# KiCad board RADAR_Main_Boardq.kicad_pcb (continued)
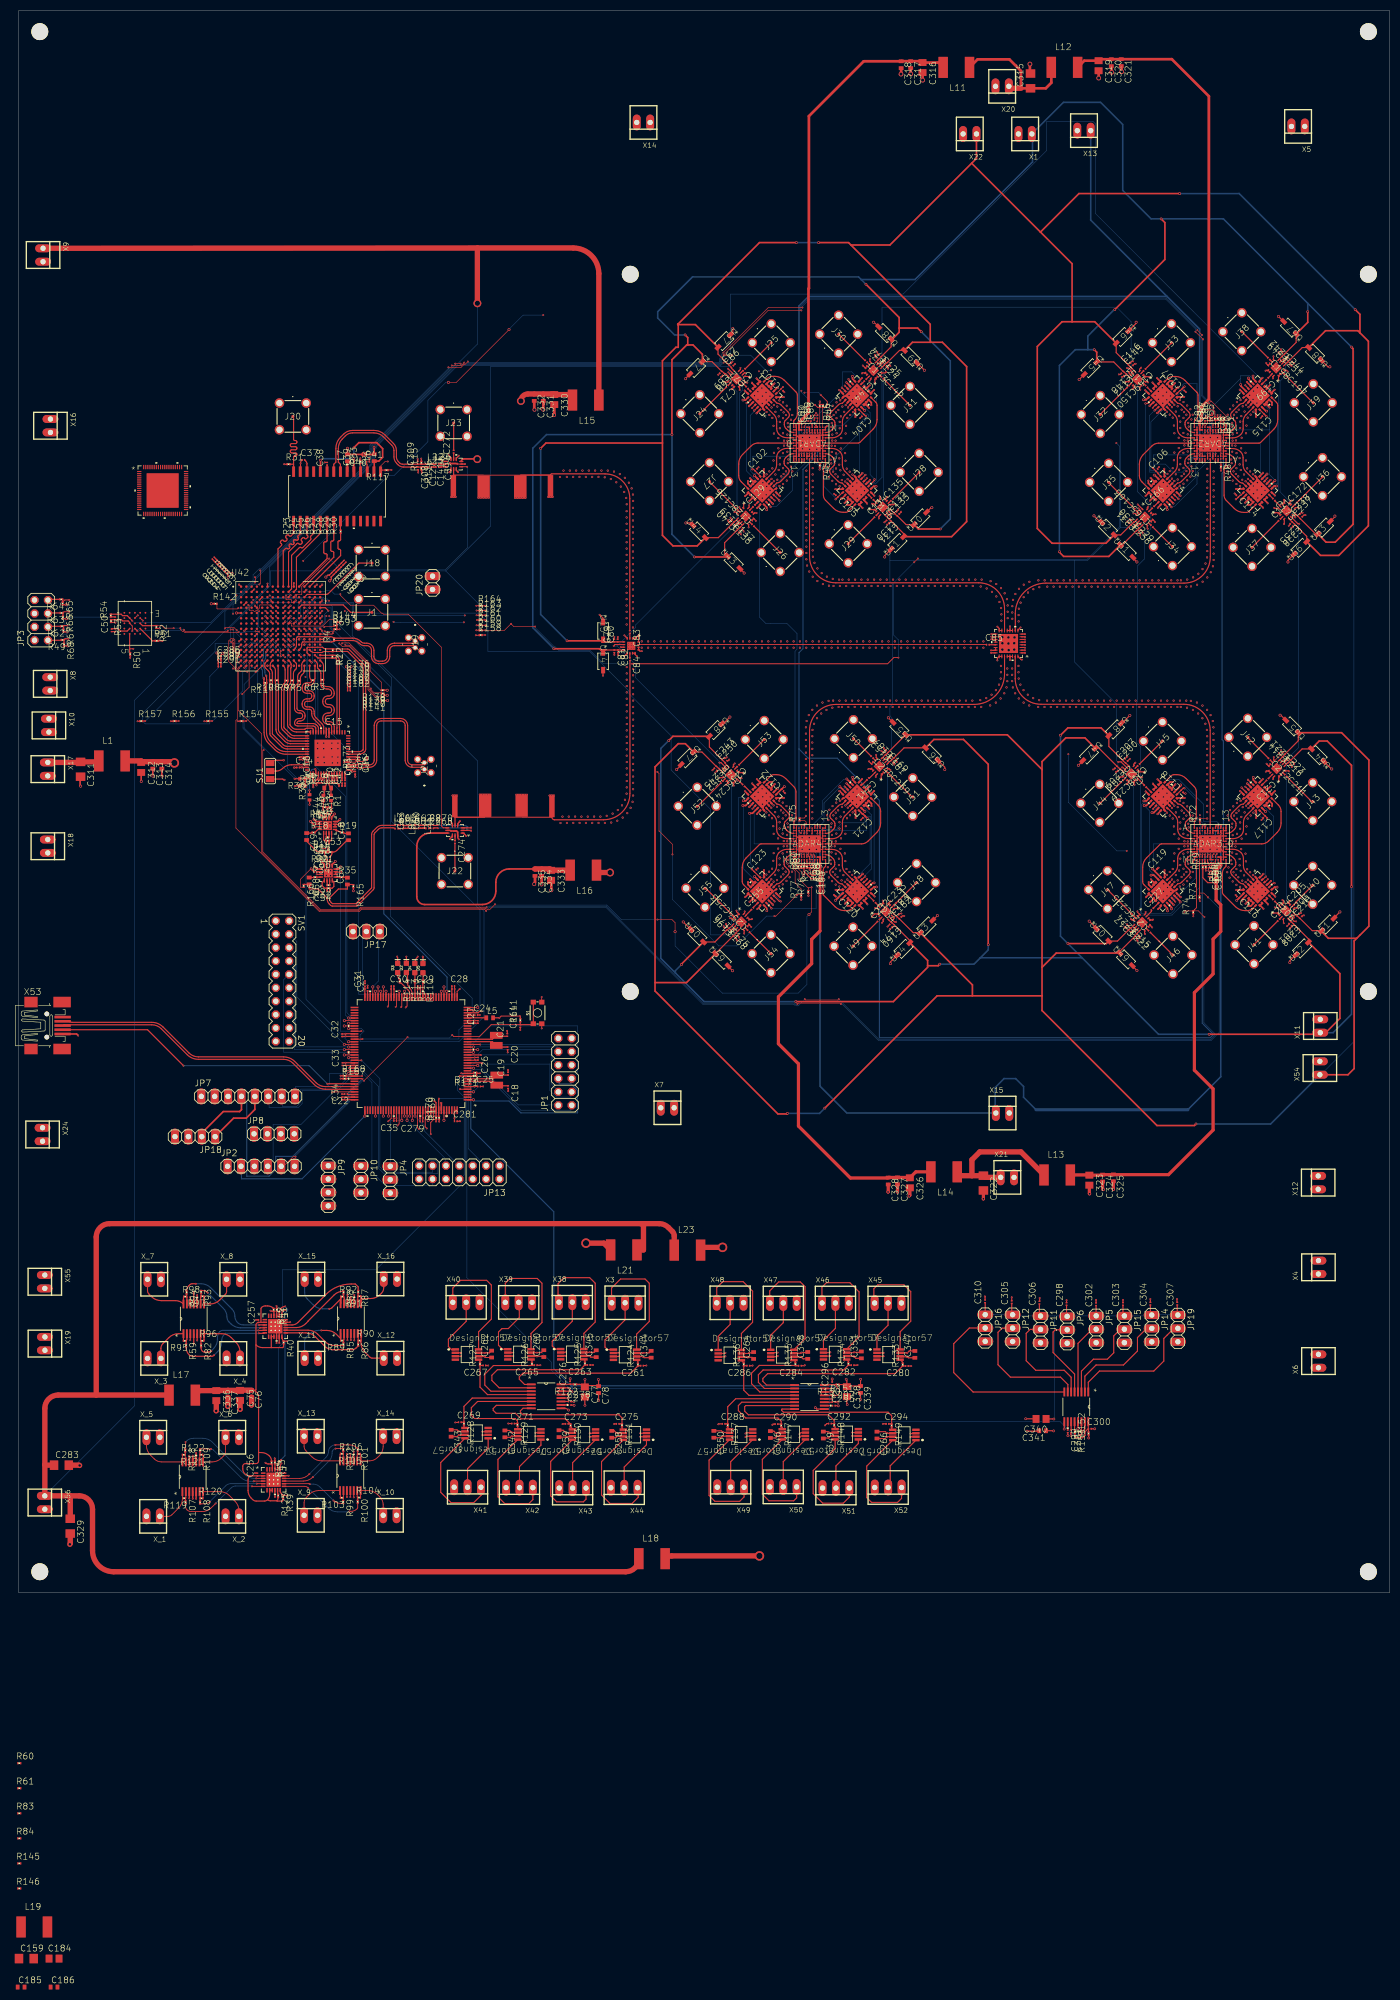
[diagram p0: board, top side]
## Routing (per net, layer and track width the routed paths; a pad name or vN(x,y) marks a point on that pad's centre or on a via; arc(x,y) is an arc through that point) (continued)
  Top w0.152: C41.2 66.47,214.5 v1(66.47,214.98) ; R162.1 87.35,185.35 v1(86.85,185.35) ; C103.2 145.23,227.64 v1(145.23,227.63) ; R160.1 87.35,183.45 v1(86.85,183.45) ; v1(64.8,215.12) 64.8,214.74 R33.2 ; R117.1 70.06,212.9 v1(70.7,212.9) ; R163.1 87.35,186.25 v1(86.85,186.25) ; R158.1 87.32,181.55 v1(86.7,181.55) ; v2(151.93,213) 151.96,213.03 R45.2 ; v1(86.8,182.5) 87.35,182.5 R159.1 ; v1(86.8,187.15) 87.35,187.15 R164.1 ; 230.82,132.31 231.09,132.04 ; R161.1 87.35,184.45 v1(86.9,184.45)
  Top w0.2: U48.1 209.3,164.9 v5(210.75,166.35) ; RF_SW_5.2 212.78,205.22 v1(212.4,205.6) ; v1(166.53,157.52) 166.53,157.74 C167.2 ; v1(212.2,129.2) 212.2,129.05 RF_SW_9.1 RF_SW_9.2 ; ADAR2_0.B7 226,216.01 v1(225.98,216.03) ; ADAR3_0.G12 ADAR3_0.H12 ; ADAR3_0.H12 ADAR3_0.H13 ; ADAR3_0.H12 ADAR3_0.J12 ADAR3_0.K12 ; v1(137.4,155.5) 136.68,155.5 RF_SW_15.1 RF_SW_15.2 ; C26.2 87.09,101 v1(86.5,101) 86.5,100.98 U2.16 ; C266.2 164.36,29.26 v1(164.65,29.55) 164.7,29.6 U87.7 ; v1(165.45,204.55) 165.45,204.62 RF_SW_2.7 ; v1(163.9,131.25) 164,131.15 RF_SW_14.13 RF_SW_14.14 ; RF_SW_16.2 RF_SW_16.1 163.6,155.07 v1(163.6,154.4) ; C343.2 83.16,29.61 v1(83.45,29.9) 84.59,29.9 U76.7 ; U89.9 198.32,31.08 v3(198.3,31.05) ; ADAR2_0.B1 ADAR2_0.B2 ; ADAR2_0.B2 ADAR2_0.C2 ADAR2_0.D2 ; ADAR2_0.B2 ADAR2_0.A2 ; ADAR1_0.A6 ADAR1_0.B6 150.5,216.03 v1(150.51,216.03) ; RF_SW_3.14 RF_SW_3.13 136.75,228.5 v1(136.75,228.05) ; v5(173.2,205.75) 173.05,205.75 U40.2 ; C200.2 210.33,157.71 v1(210.76,158.13) ; ADAR1_0.B10 148.48,215.52 v1(148.48,216.03) ; v1(241.48,156.59) 241.48,156.72 C214.2 ; v3(148.67,218.03) 147.53,218.03 ADAR1_0.G12 ; 142.8,131.66 143.38,131.07 ; ADAR1_0.F2 ADAR1_0.F1 153.01,217.51 v1(153.41,217.51) ; ADAR1_0.F2 ADAR1_0.G2 ADAR1_0.H2 ; ADAR1_0.F2 ADAR1_0.E2 ; ADAR1_0.F2 151.85,217.5 v3(151.38,217.98) 151.9,218.5 ADAR1_0.H2 ; U80.2 164.05,45.5 v1(164.05,45.5) ; 218.75,207.74 219.33,207.15 ; RF_SW_11.7 209.43,156.5 v1(209.3,156.5) ; 160.04,146.87 159.74,146.57 ; RF_SW_12.9 238.05,157.92 v1(238.05,158.45) ; v2(224.98,138.51) 225,138.53 ADAR3_0.N5 ; RF_SW_11.16 212.75,154.6 v1(213.1,154.6) ; C73.2 164.88,232.15 v1(164.88,232.09) ; v1(160.1,232.7) 160.57,232.23 RF_SW_4.12 RF_SW_4.11 ; U83.2 133.94,45.39 v1(134.05,45.5) ; RF_SW_7.7 210.6,231.28 v1(210.6,231.45) ; RF_SW_14.4 164,127.3 v1(163.75,127.05) ; ADAR2_0.D2 ADAR2_0.D1 ; ADAR2_0.D2 ADAR2_0.E2 ADAR2_0.F2 ; v1(112.98,181.24) 112.98,180.84 C79.2 ; ADTR1107_5.25 v3(217.1,209.1) ; v1(238.25,204.8) 238.87,204.8 RF_SW_6.1 RF_SW_6.2 ; C275.1 112.99,32.04 v1(112.95,32) ; RF_SW_9.9 213.55,125 v1(213.65,124.9) ; C130.2 164.24,202.97 v1(164.19,202.97) ; 236.34,134.7 236.92,135.28 ; v1(136.64,124.23) 136.64,124.4 C170.2 ; v1(241.88,233.07) 241.88,233.08 C242.2 ; ADAR1_0.B2 ADAR1_0.C2 ADAR1_0.D2 ; ADAR1_0.B2 ADAR1_0.A2 ; ADAR1_0.B2 ADAR1_0.B1 ; RF_SW_8.16 237.9,230.6 v1(237.9,230.25) ; C347.2 168.91,45.86 v1(168.55,45.5) 168.55,45.5 U80.7 ; v1(212.25,206.35) 213.13,205.47 RF_SW_5.1 ; U87.3 170.12,30.2 v1(169.15,30.2) ; ADAR1_0.K2 ADAR1_0.K1 153.35,219.5 v1(153.38,219.53) ; ADAR1_0.K2 ADAR1_0.J2 ADAR1_0.H2 ; ADAR1_0.K2 ADAR1_0.L2 ADAR1_0.M2 ADAR1_0.M1 ADAR1_0.N1 153.1,221 v1(153.38,221.28) ; ADAR1_0.K2 151.85,219.5 v3(151.38,219.03) ; RF_SW_4.4 164.36,231.31 v1(164.55,231.5) ; C301.2 199.58,29.82 v3(199.6,29.8) ; C221.2 241.93,157.27 v1(241.93,157.07) ; v1(162.86,235.27) 162.86,235.1 C125.2 ; RF_SW_15.9 133.48,154.55 v1(132.9,154.55) ; v1(143.95,45.55) 142.75,45.55 U82.2 ; v1(165.33,232.57) 165.33,232.71 C74.2 ; v1(240.95,155.75) 240.85,155.85 RF_SW_12.4 ; v5(249.05,156.2) 248.99,156.2 U64.1 ; U2.61 71.18,112.95 v1(71.18,114.48) 71.16,114.48 C30.2 ; v1(135.38,233.43) 135.08,233.14 C67.2 ; v3(141.12,209.05) 141.05,209.05 ADTR1107_1.25 ; C81.2 112.98,178.26 v1(112.98,177.84) ; v3(224.67,216.9) 223.6,216.9 ADAR2_0.E12 ; RF_SW_12.14 RF_SW_12.13 236.7,155.85 v1(236.55,155.7) ; v3(61.07,136.65) 60.19,136.65 U8.7 U8.6 ; U44.1 127.45,202.85 v5(126.55,202.85) ; v1(242.45,129.85) 241.97,129.85 RF_SW_10.9 ; ADAR2_0.K12 ADAR2_0.L12 ADAR2_0.M12 ; ADAR2_0.K12 ADAR2_0.J12 ADAR2_0.H12 ; ADAR2_0.K12 224.22,219.5 v3(224.67,219.05) ; ADAR2_0.K12 ADAR2_0.K13 ; ADAR3_0.A8 ADAR3_0.B8 ; ADAR3_0.B8 ADAR3_0.B9 ADAR3_0.B10 227.5,144 v1(227.49,143.99) ; ADAR3_0.B8 226.5,144.02 v1(226.47,143.99) ; ADAR2_0.A12 223.23,214.73 v1(223.23,214.53) ; ADAR2_0.A12 ADAR2_0.A13 ; ADAR2_0.A12 ADAR2_0.B12 ; C228.2 241.69,202.18 v1(241.37,201.87) ; U$1.17 v1(116.18,179.59) ; U73.3 102.83,44.95 v1(103.8,44.95) ; 160.34,134.72 160.92,135.31 ; v1(162.41,234.72) 162.41,234.46 C124.2 ; RF_SW_5.14 RF_SW_5.13 215.22,204.5 v1(215.65,204.5) ; U$1.14 U$1.13 117.83,178.54 v1(118.18,178.54) ; v1(134.6,231.4) 134.99,231.01 RF_SW_3.7 ; v1(164.06,160.22) 164.06,160.17 C169.2 ; RF_SW_7.16 214.07,229.63 v1(214.2,229.5) ; RF_SW_8.11 RF_SW_8.12 236.65,233.05 v1(236.65,233.2) ; C231.2 212.74,200.69 v1(212.74,200.43) ; C203.2 243.03,128.89 v1(243.22,128.89) ; RF_SW_13.9 137.6,125.58 v1(137.6,125) ; v1(210.22,126.76) 210.22,126.72 C215.2 ; v1(210,229.6) 210.05,229.65 RF_SW_7.9 ; C78.2 109.99,36.52 arc(109.99,36.51) v3(110,36.5) ; C344.2 119.57,45.5 v1(118.4,45.5) 118.37,45.47 U11.7 ; 232.64,228.95 233.23,228.36 ; v1(164.79,126.32) 165.2,126.72 C174.2 ; RF_SW_5.11 RF_SW_5.12 215.5,203.1 v1(215.5,203) ; v5(249.65,204.15) 249.65,204.02 U63.2 ; C19.2 92.82,99.13 v1(92.79,99.16) ; U74.2 92.78,45.55 v1(93.8,45.55) ; ADAR3_0.A12 ADAR3_0.B12 ; ADAR3_0.B12 ADAR3_0.B13 ADAR3_0.A13 229,145.49 v1(228.97,145.52) ; ADAR3_0.B12 ADAR3_0.C12 ADAR3_0.D12 ; C237.2 243.78,204.34 v1(244.07,204.34) ; v5(241.1,119.5) 241.1,119.84 U52.1 ; U37.1 135.45,238.96 v5(135.45,239.7) ; v3(59.15,135.98) 59.15,136.04 U8.17 ; v3(224.6,143.2) 223.8,143.2 ADAR3_0.D2 ; RF_SW_13.11 RF_SW_13.12 138.56,126.64 v1(138.95,126.25) ; U84.3 137.99,30.34 v1(137.85,30.2) ; 230.67,208.43 230.97,208.14 ; v3(200.9,31.15) 200.92,31.17 U89.13 ; ADTR1107_13.1 143.54,133.37 143.12,132.95 142.57,132.95 v3(142.55,132.98) ; v5(240.75,195.45) 240.75,195.76 U66.1 ; U11.2 112.83,45.5 v1(113.9,45.5) ; ADTR1107_8.1 232.43,226.63 232.85,227.05 v3(233.47,227.05) ; v1(139.2,43.1) 139.16,43.06 C286.1 ; v1(227.51,221.53) 227.51,221.01 ADAR2_0.N4 ; ADAR1_0.F12 ADAR1_0.E12 ; ADAR1_0.F12 ADAR1_0.F13 ; ADAR1_0.F12 ADAR1_0.G12 ; ADAR1_0.E12 ADAR1_0.D12 ; ADAR1_0.E12 148.57,217 v3(148.67,216.9) ; RF_SW_12.7 239.78,157.85 v1(239.9,157.85) ; RF_SW_11.14 RF_SW_11.13 211.5,153.35 v1(211.65,153.2) ; v1(236.5,231.7) 236.6,231.8 RF_SW_8.13 RF_SW_8.14 ; ADAR1_0.B12 ADAR1_0.B13 ADAR1_0.A13 147,214.53 v1(146.98,214.51) ; ADAR1_0.B12 ADAR1_0.C12 ADAR1_0.D12 ; ADAR1_0.B12 ADAR1_0.A12 147.51,214.99 v1(147.51,214.48) ; v1(211.8,125.5) 211.87,125.5 RF_SW_9.7 ; ADAR2_0.M12 ADAR2_0.M13 ; ADAR2_0.M12 ADAR2_0.N12 ; U81.2 153.89,45.54 v1(153.95,45.6) ; v1(211.38,233.48) 211.14,233.48 C146.2 ; RF_SW_6.9 242.17,205.75 v1(242.75,205.75) ; v3(154.25,36.75) 152.91,36.75 arc(152.85,36.76) U88.12 ; v1(240,202.65) 240.05,202.7 RF_SW_6.4 ; C259.2 103.72,29.52 v1(103.8,29.6) 104.93,29.6 U78.7 ; ADAR3_0.D2 ADAR3_0.C2 ADAR3_0.B2 ; ADAR3_0.D2 ADAR3_0.D1 ; ADAR3_0.D2 ADAR3_0.E2 ADAR3_0.F2 ; ADAR1_0.D13 ADAR1_0.D12 ; v1(240,207.25) 240.05,207.2 RF_SW_6.13 RF_SW_6.14 ; 156.9,150.98 156.53,150.61 156.38,150.61 ; RF_SW_15.14 RF_SW_15.13 135.55,153.15 v1(135.65,153.05) ; v3(227.3,140.98) 228.03,140.98 ADAR3_0.K12 ; ADAR2_0.A6 ADAR2_0.B6 226.5,216.03 v1(226.51,216.03) ; v1(135.75,125.6) 135.82,125.6 RF_SW_13.7 ; C217.2 212.06,123.77 v1(212.24,123.58) ; ADAR2_0.G12 224.65,218 v3(224.67,218.03) ; ADAR2_0.G12 ADAR2_0.H12 ; ADAR2_0.G12 ADAR2_0.F12 ; U17.2 126.5,230.26 v5(126.5,230.2) ; U39.1 170.41,233.19 v5(171.8,231.8) ; RF_SW_4.13 160.55,231.31 ; 160.55,231.31 160.9,230.95 RF_SW_4.14 ; 160.55,231.31 160.06,231.31 v1(159.95,231.2) ; RF_SW_7.14 RF_SW_7.13 212.6,228.25 v1(212.75,228.1) ; v1(159.1,43.2) 159.06,43.16 C282.1 ; v1(138.45,202) 138.45,202.53 RF_SW_1.9 ; RF_SW_1.7 136.72,202.6 v1(136.6,202.6) ; C24.2 87.02,109.56 v1(87.47,109.56) ; 236.85,211.33 236.26,210.75 ; U10.13 104.13,37.58 arc(104.17,37.57) v3(104.2,37.55) ; C98.2 149.51,137.47 R58.2 ; C98.2 150.49,137.47 C99.2 ; C98.2 150.03,137.42 v2(150.03,137.06) ; C35.2 71.16,89.97 v1(71.12,89.97) 71.12,91.51 U2.120 ; RF_SW_7.11 RF_SW_7.12 211.59,228.59 v1(211.25,228.25) ; ADAR3_0.J2 ADAR3_0.K2 ; ADAR3_0.J2 ADAR3_0.H2 ; ADAR3_0.J2 v3(224.6,141) ; ADAR3_0.K2 ADAR3_0.K1 222.99,140.49 v1(222.59,140.49) ; ADAR3_0.K2 ADAR3_0.L2 ; v1(82.8,32.3) 83.38,32.3 C269.1 ; v1(132.7,31.95) 132.79,32.04 C288.1 ; ADAR3_0.H2 ADAR3_0.H1 ; ADAR3_0.H2 ADAR3_0.G2 ; v1(241.2,131.2) 240.82,130.82 RF_SW_10.12 RF_SW_10.11 ; v1(114.83,177.59) 114.86,177.59 U$1.9 ; U56.1 175.65,156.54 v5(175.65,156.1) ; C338.2 157.08,35.87 arc(157.1,35.78) v3(157.15,35.7) ; C280.1 168.74,43 v1(169.3,43) ; v1(237.95,154.25) 237.95,154.6 RF_SW_12.16 ; v1(139.8,203.25) 139.8,203.3 RF_SW_1.12 RF_SW_1.11 ; v1(209.77,126.28) 209.85,126.28 C222.2 ; C299.2 198.98,29.82 v3(199,29.8) ; v1(169.15,29.55) 169.2,29.6 U87.2 ; v1(87.95,29.9) 88.99,29.9 U76.2 ; ADAR3_0.A2 ADAR3_0.B2 ; ADAR3_0.B2 ADAR3_0.B1 ; v1(161.35,229.75) 161.63,230.03 RF_SW_4.16 ; v1(158.1,29.75) 158.11,29.74 U86.2 ; U10.12 104.13,36.93 arc(104.17,36.92) v3(104.2,36.9) ; v1(83.69,89.41) 83.69,89.41 C281.2 ; U43.2 137.6,193.4 v5(137.6,193.35) ; RF_SW_10.4 239.9,127 v1(239.95,126.95) ; C224.2 212.48,124.35 v1(212.69,124.13) ; U85.3 148.38,30.38 v1(148.1,30.1) ; C33.2 62,100.49 v1(62,100.5) 63.69,100.5 U2.94 ; U77.2 98.01,29.71 v1(98,29.7) ; C208.2 241.44,126.34 v1(241.07,125.97) ; RF_SW_9.4 211.2,127.55 v1(210.95,127.8) ; U$1.16 117.58,181.49 v1(117.68,181.59) 117.56,181.59 U$1.1 U$1.2 ; v1(108.3,30.25) 109.33,30.25 U78.3 ; v5(164.95,165.9) 165.8,165.05 U55.2 ; C235.2 241.17,202.59 v1(240.89,202.32) ; U14.2 110.83,174.92 v1(110.83,173.89) ; v5(239.25,166.4) 239.39,166.4 U65.2 ; C267.1 88.59,43.1 v1(89.05,43.1) ; ADTR1107_1.1 143.52,209.37 143.15,209 v3(142.53,209) ; C273.1 103.19,32.04 v1(103.15,32) ; v1(214.25,205.95) 214.07,205.77 RF_SW_5.16 ; v1(134.76,157.98) 134.54,157.77 C250.2 ; v1(225.47,143.99) 225.5,144.02 ADAR3_0.B6 ADAR3_0.A6 ; RF_SW_1.1 137.5,205.73 v1(137.5,206.5) ; U74.7 98.3,45.55 v1(98.3,45.55) 99.15,45.55 C260.2 ; ADTR1107_13.25 141.03,133.03 v3(141.15,133.03) ; v1(229.41,217.51) 229.01,217.51 ADAR2_0.F1 ADAR2_0.F2 ; v1(132.68,230.96) 132.7,230.96 C69.2 ; ADAR1_0.H12 ADAR1_0.G12 ; ADAR1_0.H12 ADAR1_0.H13 ; ADAR1_0.H12 ADAR1_0.J12 ADAR1_0.K12 ; v1(240.59,126.42) 240.96,126.78 C201.2 ; U73.2 102.83,45.6 v1(103.8,45.6) ; ADAR1_0.K12 ADAR1_0.L12 ADAR1_0.M12 ; ADAR1_0.K12 147.95,219.05 v3(148.67,219.05) ; ADAR1_0.K12 ADAR1_0.K13 ; U2.130 76.12,91.51 v1(76.12,89.97) 76.13,89.97 C279.2 ; U2.83 63.69,106 v1(62,106) 62,105.96 C32.2 ; v1(209.23,230.56) 209.43,230.56 C147.2 ; ADAR3_0.D12 ADAR3_0.E12 ADAR3_0.F12 ADAR3_0.F13 ; ADAR3_0.D12 ADAR3_0.D13 ; ADAR3_0.D12 227.67,143.5 v3(227.3,143.12) ; U80.3 164.05,44.85 v1(164.05,44.85) ; v1(150.06,219.93) 150,219.99 ADAR1_0.M7 ADAR1_0.N7 ADAR1_0.N8 ; v1(208.13,155.66) 208.26,155.66 C202.2 ; ADAR2_0.K2 ADAR2_0.J2 ADAR2_0.H2 ; ADAR2_0.K2 ADAR2_0.L2 ADAR2_0.M2 ADAR2_0.M1 ADAR2_0.N1 229.01,221.01 v1(229.01,221.48) ; ADAR2_0.K2 ADAR2_0.K1 229.03,219.53 v1(229.38,219.53) ; v1(137.85,29.55) 137.99,29.69 U84.2 ; v1(133.72,126.38) 133.72,126.24 C168.2 ; 60.06,145.65 v3(60.95,145.65) ; v1(154.66,208.38) 154.7,208.38 C105.2 ; v1(132.13,155.51) 132.44,155.82 C252.2 ; U15.1 110.85,184.77 v1(110.18,185.44) ; RF_SW_2.4 163.15,204.08 v1(163.15,203.7) ; v5(203.05,127.35) 204.4,126 U50.1 ; v1(149.1,43.15) 149.01,43.06 C284.1 ; U85.7 143.88,29.73 v1(143.6,29.45) 143.51,29.36 C346.2 ; RF_SW_14.7 166.05,127.97 v1(166.05,127.9) ; v1(152.95,31.75) 153.29,32.09 C292.1 ; ADAR1_0.H2 ADAR1_0.H1 ; v3(150.22,217.98) 150.03,217.98 ADAR1_0.89 ; C137.2 135.02,203.71 v1(135.02,203.86) ; U$1.7 v1(114.18,179.29) ; v1(117.28,177.54) 116.92,177.9 U$1.12 U$1.11 ; 215.17,148.67 215.76,149.25 ; ADAR1_0.B8 149.5,216.03 v1(149.51,216.03) ; ADAR1_0.B8 ADAR1_0.B7 149.98,215.52 v1(149.98,216.03) ; ADAR1_0.B8 ADAR1_0.A8 ; v1(215,126.15) 214.61,126.54 RF_SW_9.12 RF_SW_9.11 ; U82.7 148.33,45.43 v1(148.45,45.55) 149.54,45.55 C348.2 ; v1(134.15,153.2) 134.54,153.59 RF_SW_15.12 RF_SW_15.11 ; ADTR1107_12.25 235,150.98 v3(234.92,150.9) ; v1(98.95,43.15) 98.34,43.15 C265.1 ; RF_SW_5.9 214.05,201.85 v1(214.15,201.75) ; C77.2 107.38,35.6 arc(107.39,35.57) v3(107.4,35.55) ; U85.2 148.38,29.73 v1(148.1,29.45) ; v1(134.9,127.9) 135.28,127.9 RF_SW_13.4 ; C160.2 165.31,125.87 v1(165.27,125.87) ; ADAR2_0.B12 ADAR2_0.C12 ADAR2_0.D12 ; ADAR2_0.B12 ADAR2_0.B13 ; RF_SW_9.16 213.75,128.8 v1(213.75,129.1) ; C25.2 87.57,96.01 v1(88.09,96.01) ; C22.2 61.81,94.55 v1(61.3,94.55) ; RF_SW_8.4 240.45,231.8 v1(240.7,231.55) ; ADAR3_0.M12 ADAR3_0.L12 ADAR3_0.K12 ; ADAR3_0.M12 ADAR3_0.N12 ; ADAR3_0.M12 ADAR3_0.M13 ; v1(166.05,206.4) 165.95,206.3 RF_SW_2.9 ; RF_SW_16.14 RF_SW_16.13 161.25,156.25 v1(161.15,156.15) ; v1(135.8,157.25) 135.55,157 RF_SW_15.4 ; U78.2 109.33,29.6 v1(108.3,29.6) ; ADAR2_0.B9 ADAR2_0.B10 224.48,215.52 v1(224.48,216.03) ; RF_SW_15.16 136.8,154.45 v1(137.1,154.45) ; C342.2 93.29,29.49 v1(93.5,29.7) 94.65,29.7 U77.7 ; 218.8,131.64 219.38,131.05 ; v1(163.3,207.9) 163.4,207.8 RF_SW_2.13 RF_SW_2.14 ; RF_SW_16.7 164.48,158.3 v1(164.5,158.3) ; v1(167.97,128.34) 167.6,128.34 C162.2 ; C236.2 210.53,202.87 v1(210.27,203.13) ; v1(163.9,32.05) 164.51,32.05 C294.1 ; U79.7 113.45,29.65 v1(113.4,29.6) 113.21,29.41 C258.2 ; ADAR2_0.A8 ADAR2_0.B8 225.5,216.03 v1(225.51,216.03) ; U79.2 119.03,29.6 v1(117.9,29.6) ; C210.2 243.58,128.44 v1(243.77,128.44) ; RF_SW_16.9 162.65,158.37 v1(162.65,158.9) ; v1(137.85,231.3) 137.64,231.3 RF_SW_3.2 ; v1(159.61,222.73) 159.61,222.74 C104.2 ; v1(119.05,43.1) 118.52,43.1 C261.1 ; ADAR3_0.N8 ADAR3_0.N7 ADAR3_0.M7 226,139.97 v1(226.04,140.02) ; v1(136.19,123.68) 136.19,123.85 C196.2 ; v1(140.33,213.41) 140.31,213.41 C102.2 ; v3(154.3,40.55) C296.2 ; 232.38,150.58 232.53,150.58 232.9,150.95 ; v3(104.6,40.6) 104.6,40.12 arc(104.59,40.09) C276.2 ; C295.2 155.38,35.48 arc(155.42,35.47) v3(155.45,35.45) ; v1(161.55,205.45) 161.62,205.38 RF_SW_2.1 RF_SW_2.2 ; v1(214.5,230.55) 214.48,230.57 RF_SW_7.1 RF_SW_7.2 ; v1(117.9,30.25) 119.03,30.25 U79.3 ; v1(134.57,203.38) 134.57,203.19 C138.2 ; v1(238.25,129.95) 238.65,129.95 RF_SW_10.16 ; 216.29,213.46 215.98,213.15 ; C131.2 164.76,202.52 v1(164.67,202.52) ; v1(113.9,44.85) 113.87,44.82 U11.3 ; RF_SW_11.4 211.5,157.1 v1(211.8,157.4) ; U74.3 92.78,44.9 v1(93.8,44.9) ; v1(161.85,206.5) 162.15,206.5 RF_SW_2.16 ; v1(136.9,232.25) 136.9,231.97 RF_SW_3.4 ; ADAR2_0.E12 ADAR2_0.D12 ; ADAR2_0.E12 ADAR2_0.F12 ; ADAR2_0.D12 ADAR2_0.D13 ; 236.04,146.85 235.74,146.54 ; v1(133.5,156.4) 133.5,156.33 RF_SW_15.7 ; C28.2 82.66,114.48 v1(82.68,114.48) 82.68,112.95 U2.38 ; RF_SW_16.16 162.55,154.95 v1(162.55,154.7) ; U2.51 76.18,112.95 v1(76.18,114.48) 76.2,114.48 C29.2 ; U73.7 107.23,45.6 v1(108.3,45.6) 109.15,45.6 C345.2 ; RF_SW_13.16 137.7,128.9 v1(137.7,129.2) ; U75.3 83.89,44.86 v1(83.9,44.85) ; v1(87.95,30.55) 88.99,30.55 U76.3 ; C229.2 210.98,203.35 v1(210.72,203.61) ; U67.2 239.9,241.05 v5(238.95,242) ; ADAR3_0.B7 226,144 v1(225.99,143.99) ; 149.77,132.65 R76.1 149.83,132.58 ; v1(238.96,235.22) 238.96,235.08 C251.2 ; v1(238.95,229.95) 238.95,230.72 RF_SW_8.1 RF_SW_8.2 ; v1(163.61,159.67) 163.65,159.67 C161.2 ; ADAR1_0.E2 151.55,217 v3(151.38,216.82) ; ADAR1_0.E2 ADAR1_0.D2 ; 145.35,151.59 145.06,151.89 ; U86.3 158.11,30.39 v1(158.1,30.4) ; v1(238.15,205.7) 238.23,205.62 RF_SW_6.16 ; v1(136.15,129.35) 136.15,129.15 RF_SW_13.1 RF_SW_13.2 ; v1(167.42,128.79) 167.12,128.79 C183.2 ; 59.99,145.72 59.99,145.22 ; ADAR2_0.89 226.2,218 v3(226.22,217.98) ; U81.7 158.39,45.54 v1(158.45,45.6) 159.66,45.6 C351.2 ; v1(211.86,233.03) 211.66,233.03 C145.2 ; ADAR1_0.D1 ADAR1_0.D2 ; 157.28,152.29 156.69,152.88 ; RF_SW_1.14 RF_SW_1.13 139.57,204.75 v1(139.95,204.75) ; v1(65.68,116.03) 65.68,115.51 C31.2 ; RF_SW_13.14 RF_SW_13.13 139,127.65 v1(139.1,127.75) ; C132.2 166.82,205.3 v1(166.82,205.44) ; RF_SW_14.2 RF_SW_14.1 162.38,128.73 v1(161.8,128.15) ; v1(166.65,129.75) 166.07,129.75 RF_SW_14.9 ; v1(134,229.55) 134.48,229.55 RF_SW_3.9 ; ADAR1_0.M13 ADAR1_0.M12 ; ADAR1_0.M12 ADAR1_0.N12 147.46,221.04 v1(147.46,221.44) ; v3(158.9,226.95) 158.95,226.95 ADTR1107_4.25 ; ADAR3_0.K12 ADAR3_0.K13 ; C148.2 208.95,231.01 v1(208.68,231.01) ; 235.58,222.79 235.92,223.13 ; v1(238,234.45) 238,233.82 RF_SW_8.9 ; C278.2 105.23,36.28 arc(105.27,36.27) v3(105.3,36.25) ; v1(136.7,205.85) 136.7,205.69 RF_SW_1.2 ; RF_SW_8.7 239.73,233.85 v1(239.85,233.85) ; C27.2 86.5,108.49 v1(86.5,108.5) 85.13,108.5 U2.31 ; v1(211.45,204.65) 211.83,204.65 RF_SW_5.4 ; U58.1 133.62,164.77 v5(134.9,166.05) ; 156.67,228.9 157.25,228.31 ; RF_SW_3.1 138.37,230.63 v1(138.5,230.5) ; C238.2 243.26,204.79 v1(243.52,204.79) ; ADAR2_0.H12 ADAR2_0.H13 ; RF_SW_1.4 136.08,204.9 v1(135.75,204.9) ; C300.2 v3(204.1,31.1) ; v1(134.05,44.85) 133.94,44.74 U83.3 ; v1(113.63,181.24) 113.63,180.83 C80.2 ; RF_SW_3.16 137.92,229.45 v1(138.2,229.45) ; v1(167.37,204.99) 167.37,204.91 C133.2 ; v5(203.95,204.2) 205.2,202.95 U62.1 ; C23.2 66.17,115.12 v1(66.18,115.13) ; C249.2 241.1,232.93 v1(241.43,232.59) ; 160.88,211.28 160.29,210.7 ; ADAR3_0.F2 ADAR3_0.G2 ; ADAR3_0.F2 ADAR3_0.F1 ; ADAR3_0.G2 223.55,142.05 v3(224.6,142.05) ; v1(242.15,203.9) 241.71,204.34 RF_SW_6.7 ; v1(133.23,230.51) 133.24,230.51 C68.2 ; ADAR3_0.89 225.8,142 v3(225.75,142.05) ; v1(207.58,156.11) 207.71,156.11 C209.2 ; v1(153.95,44.95) 153.89,44.89 U81.3 ; v5(201.15,230.05) 202.1,231 U45.2 ; C34.2 62,93.99 v1(62,94) 63.69,94 U2.107 ; v5(135.4,117.95) 134.55,118.8 U59.2 ; RF_SW_10.7 241.85,128.17 v1(241.85,128) ; RF_SW_1.16 138.55,205.85 v1(138.55,206.2) ; RF_SW_6.11 RF_SW_6.12 241.4,207.1 v1(241.5,207.1) ; v1(213.4,155.65) 212.63,155.65 RF_SW_11.1 RF_SW_11.2 ; C139.2 137.49,201.38 v1(137.49,201.23) ; U61.2 211.34,196.21 v5(212.1,195.45) ; R77.1 148.43,131.95 ; v1(239.41,235.77) 239.41,235.63 C244.2 ; C349.2 152.7,29.35 v1(153.6,29.35) 153.99,29.74 U86.7 ; U57.2 125.65,156.95 v5(124.8,156.1) ; v1(114.88,181.54) 115.42,181 U$1.4 ; RF_SW_9.14 RF_SW_9.13 215.05,127.55 v1(215.15,127.65) ; U38.2 162.24,240.9 v5(162.15,240.9) ; v5(201,156.9) 201.82,157.72 U47.2 ; 233.28,152.26 ADTR1107_12.22 232.69,152.85 ; RF_SW_14.16 162.75,129.85 v1(162.45,129.85) ; ADTR1107_10.25 234.97,133.03 v3(234.97,133.05) ; v5(211.95,240.9) 211.95,240.71 U46.1 ; v5(212.1,118) 211.22,118.88 U49.2 ; RF_SW_16.11 RF_SW_16.12 161.3,157.6 v1(161.3,157.65) ; ADAR2_0.F13 ADAR2_0.F12 ; v1(239,153.95) 239,154.72 RF_SW_12.1 RF_SW_12.2 ; C262.2 89.28,45.5 v1(88.4,45.5) 87.22,45.5 U75.7 ; ADAR2_0.H1 ADAR2_0.H2 ; ADAR2_0.H2 ADAR2_0.G2 227.4,218 v3(227.38,217.98) 227.85,217.5 ADAR2_0.F2 ; v3(226,219.05) ADAR2_0.M7 ADAR2_0.N7 ADAR2_0.N8 ; R165.2 63.48,133.7 v3(63.48,133.1) ; RF_SW_12.11 RF_SW_12.12 236.7,157.15 v1(236.7,157.2) ; C140.2 136.96,200.68 v1(137.04,200.68) ; v1(165.4,131.1) 165.01,130.71 RF_SW_14.12 RF_SW_14.11 ; U84.7 133.49,29.69 v1(133.35,29.55) 133.21,29.41 C350.2 ; v1(113.68,177.79) 113.68,178.25 C82.2 ; v1(165.35,156) 165.1,156.25 RF_SW_16.4 ; v5(174.25,128.4) 173.38,127.53 U53.2 ; U75.2 83.89,45.51 v1(83.9,45.5) ; v2(221.3,151.55) 221.07,151.55 C118.2 ; C277.2 105.23,35.6 arc(105.29,35.59) v3(105.35,35.55) ; C66.2 v1(135.85,232.98) ; ADAR3_0.M2 ADAR3_0.M1 ADAR3_0.N1 222.71,138.71 v2(222.71,138.36) ; v1(213.19,200.98) 213.19,201.17 C230.2 ; C123.2 140.14,137.36 v1(140.22,137.36) ; v1(161.45,233.95) 161.45,233.48 RF_SW_4.9 ; U54.1 165.35,119.62 v5(165.35,119.3) ; RF_SW_5.7 212.37,202.35 v1(212.3,202.35) ; C243.2 134.09,158.25 v1(134.28,158.43) ; C297.2 155.33,36.18 arc(155.37,36.17) v3(155.4,36.15) ; RF_SW_3.11 RF_SW_3.12 135.25,228.2 v1(135.25,228.2) ; v1(166.08,157.04) 166.08,157.19 C152.2 ; ADAR1_0.N5 ADAR1_0.N4 151.5,221.09 v1(151.23,221.36) ; v1(139.12,224.62) 139.12,224.67 ADTR1107_3.22 ; v1(98,30.35) 98.01,30.36 U77.3 ; U10.9 103.51,34.98 arc(103.94,34.89) v3(104.3,34.65) ; v5(248.7,232.45) 248.34,232.45 U68.1 ; v1(210.28,158.58) 210.28,158.58 C207.2 ; U51.2 249.48,127.98 v5(250.6,129.1) ; RF_SW_4.2 RF_SW_4.1 162.4,230.08 v1(162.4,229.45) ; U60.1 127.48,125.77 v5(126.05,127.2) ; U83.7 138.44,45.39 v1(138.55,45.5) 139.25,45.5 C264.2 ; C245.2 131.96,156.34 v1(131.58,155.96) ; v1(143.95,44.9) 143.83,44.78 U82.3 ; v1(92.85,32.1) 93.51,32.1 C271.1 ; U41.1 164.25,196.65 v5(164.25,196.4) ; 142.77,207.69 143.36,207.1 ; C175.2 134.17,126.69 v1(134.17,126.86) ; v1(163.3,233.35) 162.91,232.96 RF_SW_4.7 ; 215.69,225.3 215.1,224.72 ; v1(212.9,232.3) 212.6,232 RF_SW_7.4 ; RF_SW_10.2 RF_SW_10.1 238.77,128.9 v1(237.95,128.9) ; C339.2 159.68,36.71 arc(159.67,36.68) v3(159.65,36.65) ; C290.1 143.09,31.99 v1(142.95,31.85) ; v1(208.9,154.7) 209.43,154.7 RF_SW_11.9 ; 219.12,209.05 219.49,209.42 219.64,209.42 ; v1(210.15,153.35) 210.2,153.35 RF_SW_11.12 RF_SW_11.11 ; 139.76,149.28 139.17,148.69 ; v1(164.8,207.75) 164.41,207.36 RF_SW_2.12 RF_SW_2.11 ; v3(151.1,35.1) 151.36,34.84 U88.9 arc(152.85,34.81) 152.91,34.8 ; ADAR1_0.B9 148.98,215.52 v1(148.98,216.03) ; v1(239.7,131.35) 239.9,131.15 RF_SW_10.13 RF_SW_10.14 ; C263.1 108.39,43.2 v1(108.95,43.2) ; C107.2 221.38,227.66 v1(221.38,227.63) ; v3(158.92,209.05) 158.95,209.05 ADTR1107_2.25
  Top w0.204: C341.2 193.5,30.65 v3(191.25,30.65) ; v1(183.25,56.2) 183.3,56.15 C310.2 ; v1(188.03,183.24) 188.03,182.48 U16.12 ; U16.5 190.87,180.25 v1(190.88,180.24) ; U16.15 U16.16 185.97,182.85 v1(185.63,183.19) ; v1(219.7,55.7) 219.7,55.12 C307.2 ; v1(204.35,55.55) C302.2 ; v1(92.84,95.11) 92.84,95.62 C18.2 ; U16.12 U16.13 ; U16.12 U16.11 ; C182.1 62.38,171.66 C181.1 62.37,171.67 C180.1 62.39,172.26 C179.1 62.4,172.94 C177.1 C178.1 C176.1 62.4,175.33 v5(62.15,175.57) ; v1(190.28,176.94) 190.14,176.94 U16.32 ; v1(190.88,178.19) 190.85,178.22 U16.1 ; U7.25 48.67,50.55 ; U7.25 49.32,50.54 arc(49.33,50.54) 49.34,50.55 ; U7.25 48.66,51.38 arc(48.66,51.39) 48.65,51.4 47.9,51.4 47.9,49.95 arc(47.92,49.94) 47.93,49.94 48.65,49.94 ; U7.25 48.66,49.96 arc(48.66,49.95) 48.65,49.94 ; U7.25 arc(48.85,50.26) 48.91,49.94 ; 48.67,50.55 49.34,50.55 ; 48.67,50.55 arc(49.49,51.1) 50.46,51.29 U7.17 arc(50.65,51.3) 50.66,51.3 v1(51.5,51.3) ; U16.24 184.45,178.22 v1(184.43,178.24) ; U16.29 U16.30 ; U16.29 188.03,177.52 v1(188.03,176.84) ; U16.29 U16.28 ; U16.6 190.86,180.76 v1(190.88,180.74) ; v3(191,33) 192.93,33 C340.2 ; C158.1 37.54,195.89 C157.1 38,195.4 C156.1 38.44,194.96 C155.1 C153.1 C154.1 C55.1 40.15,193.27 v5(40.49,193.27) ; SJ1.1 50.01,154.29 arc(50.22,154.24) v2(50.4,154.12) ; v1(92.64,106.56) 92.67,106.53 C21.2 ; U69.25 48.55,21.64 arc(48.6,21.71) 48.61,21.79 ; U69.25 47.6,21.44 ; U69.25 49.1,21.44 arc(49.16,21.43) 49.2,21.4 49.2,20.67 arc(49.19,20.61) 49.15,20.55 arc(49.04,20.48) 48.91,20.45 48.4,20.45 ; U69.25 arc(48.43,21.86) 48.68,22.23 ; U69.25 arc(48.43,21.86) 48.68,22.23 ; U69.25 arc(48.59,21.8) 48.68,22.23 ; U69.25 arc(48.43,21.86) 48.68,22.23 ; U69.25 arc(48.39,21.38) 48.4,21.32 48.4,20.45 ; U69.25 arc(48.37,21.52) 48.41,21.58 48.61,21.79 ; U69.25 arc(48.43,21.86) 48.68,22.23 ; U69.25 arc(48.17,21.47) 48.03,21.57 47.65,21.95 47.27,21.58 arc(47.42,21.48) 47.6,21.44 ; v1(190.88,181.24) 190.85,181.27 U16.7 ; 48.65,49.94 48.91,49.94 ; C309.2 75.69,214.93 arc(75.68,214.98) v1(75.65,215.03) ; 48.4,20.45 47.6,20.45 47.6,21.44 arc(47.6,21.44) 47.6,21.44 ; v6(187.73,179.99) 187.74,179.99 U16.33 ; 48.91,49.94 U7.10 48.91,47.37 arc(48.91,47.36) v1(48.9,47.35) ; v1(81.55,215.7) 81.78,215.47 arc(81.94,215.24) U5.12 ; U3.26 54.68,214.03 arc(54.66,214.09) v1(54.62,214.15) arc(54.58,214.39) 54.44,214.59 C37.2 ; v1(95.14,106.71) 95.14,107.22 arc(95.14,107.22) C164.1 ; v1(51.2,22.2) 50.35,22.2 arc(50.34,22.2) U69.17 49.02,22.19 ; R43.1 48.59,25.4 arc(48.58,25.46) v1(48.55,25.5) ; v1(52.18,191.48) 52.18,190.79 U42.A11 ; v1(190.88,181.74) 190.84,181.78 U16.8 ; U16.2 190.84,178.73 v1(190.88,178.69) ; v1(44.95,51.75) 45.45,51.75 arc(45.46,51.75) C257.2 ; U42.T6 v1(47.18,175.78) ; v1(62.35,56.5) OPA_4.12 ; v5(69.9,170.18) 69.36,170.18 69.28,170.1 ; v1(190.88,179.19) 190.83,179.24 U16.3 ; OPA_2.12 32.55,55.93 arc(32.54,55.99) v1(32.5,56.05) ; U5.1 80.88,214.51 arc(80.57,214.57) v1(80.3,214.75) ; 69.28,170.1 R139.1 ; 69.28,170.1 R140.1 ; v1(33.85,47.85) OPA_2.5 ; C113.1 62.04,195.38 C112.1 61.59,194.92 C111.1 61.11,194.44 C110.1 C108.1 C109.1 59.72,193.04 C17.1 59.29,192.16 v5(59,191.88) ; v1(184.43,178.69) 185.26,178.69 U16.23 U16.22 ; v1(193.65,55.9) 193.65,55.32 C306.2 ; v1(22.52,182.32) 22.52,182.34 U9.B3 ; v1(83.47,215.6) 83.1,215.22 arc(83.02,215.1) U5.10 ; 48.68,22.23 48.75,22.3 arc(48.87,22.22) 49.02,22.19 ; U42.T16 v1(57.18,175.78) ; v1(185.63,176.79) 185.63,177.21 U16.25 U16.26 ; v1(83.35,212.48) 83.15,212.68 arc(83.03,212.85) U5.6 ; D3.C 71.88,120.4 arc(71.85,120.53) v1(71.78,120.63) ; R116.1 76.37,215 arc(76.36,215.03) v1(76.35,215.05) ; R41.1 48.94,54.3 arc(48.93,54.36) v1(48.9,54.4) ; v1(76.45,212.35) 76.45,212.71 arc(76.43,212.83) R115.1 ; U42.C5 v1(45.68,188.28) ; 48.61,21.79 49.02,22.19 ; U42.L11 v1(52.18,180.78) ; C291.1 C287.1 C289.1 C285.1 37.85,177.95 v5(37.6,178.2) ; U16.18 185.28,181.29 v1(184.48,181.29) ; v1(214.65,55.7) C304.2 ; R37.1 52.47,152.99 arc(52.42,152.98) v2(52.37,152.95) ; v1(198.75,55.5) C298.2 ; v1(63.65,56.5) OPA_4.10 ; C20.2 92.74,102.97 v1(92.74,102.46) ; D5.C 76.68,120.52 arc(76.67,120.58) v1(76.63,120.63) ; v1(190.88,179.74) 190.87,179.75 U16.4 ; 75.7,120.6 75.62,120.52 arc(75.26,119.98) D4.C ; U42.N15 v1(56.18,178.78) ; v1(75.78,212.4) 75.78,212.84 arc(75.76,212.9) C308.2 ; U1.57 59.28,158.57 arc(59.36,158.52) v3(59.45,158.5) ; v1(184.48,181.79) 185.29,181.79 U16.17 ; OPA_4.5 v1(63.65,47.85) ; U42.C15 v1(55.68,188.28) ; U42.K14 55.18,181.78 v1(54.73,181.78) ; v1(190.03,183.04) 189.53,182.54 U16.9 ; v2(55.18,149.45) 55.18,150.29 arc(55.17,150.31) R38.1 ; v1(32.55,47.9) OPA_2.3 ; v1(33.85,56.45) OPA_2.10 ; ADTR1107_10.13 235.42,130.28 ; U69.10 v1(48.6,18.2) ; 49.34,50.55 arc(49.4,50.53) 49.45,50.5 arc(49.42,50.46) 49.41,50.4 U7.11 49.41,47.45 arc(49.42,47.39) v1(49.45,47.35) ; v1(73.53,120.63) 73.53,119.36 arc(73.53,119.36) D2.C ; v1(44.75,22.7) 45.19,22.7 arc(45.23,22.69) C256.2 ; v1(18.27,182.23) 18.26,182.25 C50.1 ; U16.20 U16.19 185.27,180.79 v1(184.48,180.79) ; v1(81.68,212.45) 81.78,212.56 arc(81.94,212.79) U5.4 ; OPA_4.3 v1(62.35,47.9) ; v1(50.35,213.98) 50.89,213.98 arc(50.91,213.98) R31.1 ; U42.D2 v1(42.67,187.28) ; U5.8 84.65,214.01 arc(84.66,214.01) v1(84.68,214) ; v1(209.45,55.55) C303.2 ; v1(188.35,56.05) C305.2 ; C38.2 58.06,214.32 arc(58.06,214.32) v1(58.05,214.32)
  Top w0.25: v2(60.75,152.95) 60.75,153.17 C10.1 C9.1 C8.1 ; v1(84.88,143.53) 84.45,143.95 arc(84.34,144.02) U13.1 ; v2(66.07,158.4) 66.1,158.38 C293.1 ; C4.1 55.87,153.22 v2(55.87,152.75) ; C7.1 C6.1 C5.1 56.48,153.56 v2(56.48,153.12) ; C14.1 52.26,156.48 v2(52.25,156.48) ; v1(81.78,142.95) 82.15,143.32 arc(82.23,143.45) U13.10 ; U1.48 63.85,158.5 v1(63.93,158.43) 64.45,158.43 C36.1 ; v1(32.35,26) OPA_1.12 ; C16.1 53.3,158.5 v2(53.82,158.5) U1.23 ; C11.1 61.35,153 v2(61.32,152.98) ; v2(63.82,154.75) 63.82,155.22 C13.1 ; U13.12 83.26,143.37 arc(83.32,143.09) v1(83.47,142.85) ; C12.1 61.9,153 v2(61.87,152.98) ; OPA_1.5 v1(33.65,17.85) ; v1(33.65,26.55) OPA_1.10 ; C15.1 58.35,163.85 U1.8 58.35,162.35 v2(58.32,162.32) ; v1(83.7,146.3) 83.51,146.11 arc(83.33,145.83) U13.4 ; OPA_1.3 v1(32.35,17.9) ; U13.6 82.26,145.53 arc(82.18,145.93) v1(81.95,146.28) ; U13.8 81.78,144.55 arc(81.91,144.52) v1(82.03,144.45)
  Top w0.3: 233.23,225.79 233.72,226.28 ; v3(62.37,217.03) 62.36,217.01 L7.2 65,215.84 C40.2 65.22,216.06 C42.2 ; 140.22,153.23 140.68,153.69 ; 218.26,209.82 218.75,210.31 ; U8.9 59.47,138.09 v3(60.05,138.68) ; 157.71,210.7 158.2,210.21 ; 214.33,151.37 v1(213.75,151.95) ; v1(82.03,144.45) 83.05,144.45 83.26,144.24 U13.12 ; 157.74,133.82 157.3,134.26 ; 237.36,229 236.74,228.38 236.3,228.82 ; 219.79,150.71 v1(221.16,150.71) ; ADTR1107_8.25 v3(234.88,227) ; 162.28,152.05 161.69,151.47 ; 142.77,210.26 142.28,209.78 ; 215.05,229.43 215.67,228.82 215.23,228.38 ; 160.97,130.59 160.36,131.21 160.8,131.65 ; v1(216.19,137.48) 216.16,137.48 C119.2 ; 161.23,151.83 161.69,151.37 ; v1(138.32,134.8) 138.32,134.3 ADTR1107_13.11 138.84,133.78 139.76,134.7 139.35,134.7 v1(138.75,135.3) ; 218.72,225.76 218.28,226.2 ; 214.26,227.42 v1(213.67,228) ; 161.67,227.39 161.21,227.85 ; C312.2 23.23,153.87 v5(23.25,153.85) ; v1(232.7,130.65) 233.3,131.25 233.3,131.66 ADTR1107_10.10 ADTR1107_10.11 234.22,130.74 233.7,130.23 v1(233.2,130.23) ; v1(138.72,211.32) 139.33,210.72 139.74,210.72 138.82,209.8 ADTR1107_1.11 138.3,210.32 v1(138.3,210.82) ; 158.73,148.26 v1(158.73,146.89) ; v1(137.8,131.9) 138.38,132.48 ; 235.8,206.79 235.34,206.33 ; 139.12,153.41 139.74,152.79 139.3,152.35 ; v1(237.28,224.72) 236.67,225.33 236.26,225.33 237.18,226.25 237.7,225.73 v1(237.7,225.22) ; v1(161.32,148.65) 160.72,149.25 160.31,149.25 161.23,150.17 161.75,149.65 v1(161.75,149.15) ; 141.9,134.26 142.34,134.7 ; 218.8,149.71 218.36,150.15 ; v1(83.25,214.03) 83.18,214.1 81.9,214.1 v1(81.78,214.23) ; 237.41,152.9 236.79,152.28 236.35,152.72 ; v1(214.32,134.78) 214.32,134.27 214.84,133.75 215.76,134.67 215.35,134.67 v1(214.75,135.28) ; v1(143.35,229.3) 142.75,228.7 ADTR1107_3.9 ADTR1107_3.10 ADTR1107_3.11 142.35,229.72 v1(142.85,229.72) ; 234.68,135.62 234.9,135.4 234.9,134.57 ; v1(219.32,229.35) 218.72,228.75 218.72,228.34 217.8,229.26 218.32,229.78 v1(218.82,229.78) ; 138.33,151.39 v1(137.75,151.98) ; v1(139.07,229.45) 139.07,229.38 139.69,228.77 ; v1(233.12,206.28) 233.63,206.28 234.15,206.79 233.23,207.71 233.23,207.3 v1(232.62,206.7) ; 159.42,130.31 159.88,130.77 ; 237.23,151.8 ADTR1107_12.13 237.69,151.34 ; v1(145.11,226.71) 143.74,226.71 ADTR1107_3.6 ; v1(154.64,132.34) 154.95,132.04 C120.2 ; 139.69,228.77 ADTR1107_3.15 ; 139.69,228.77 139.25,228.33 ADTR1107_3.16 ; v1(161.72,225.18) 161.72,225.68 161.21,226.2 160.29,225.28 160.7,225.28 v1(161.3,224.68) ; 159.83,206.74 159.37,206.28 ; 217.34,224.38 217.12,224.6 217.12,225.43 ; 232.31,133.24 v1(230.94,133.24) ; v3(141.07,226.9) 141,226.97 ADTR1107_3.25 ; v1(219.4,153.3) 218.8,152.7 218.8,152.29 217.88,153.21 218.4,153.73 v1(218.9,153.73) ; 237.64,227.54 v1(238.22,228.12) ; 234.82,210.62 234.82,211.45 234.61,211.67 ; 156.31,133.27 v1(154.94,133.27) ; 141.32,211.72 v1(141.32,213.08) ; 138.84,132.12 ADTR1107_13.14 138.38,132.58 ; 234.17,149.67 233.74,149.23 ; 157.25,225.74 157.74,226.22 ; 234.73,148.23 v1(234.73,146.87) ; ADTR1107_11.25 217.03,151 v3(217.12,150.9) ; v1(11.27,105.67) 10.98,105.96 X53.5 ; ADTR1107_9.25 v3(217.15,133) ; v3(55.48,137.28) 56.04,136.71 C56.1 ; 214.38,132.46 v1(213.8,131.88) ; 216.61,229.72 216.15,229.26 ; 216.68,153.67 216.22,153.21 ; 55.92,145.71 v3(55.35,146.28) ; 236.8,131.62 236.36,131.18 236.97,130.57 ; v3(141.12,150.93) 141.05,151 ADTR1107_15.25 ; 215.12,153.38 215.74,152.77 215.3,152.33 ; 237.77,132.58 v1(238.35,132) ; 218.8,134.21 218.31,133.73 ; ADTR1107_6.25 v3(234.9,209.1) ; 233.69,210.75 234.17,210.26 ; 138.36,208.51 v1(137.78,207.93) ; 138.82,208.15 ADTR1107_1.14 138.36,208.61 ; 158.15,225.72 157.71,225.28 ; 142.8,134.24 142.31,133.75 ; 214.38,132.56 214.84,132.1 ; 157.25,210.24 157.69,209.8 ; 217.2,149.38 217.2,148.55 217.42,148.33 ; 218.34,149.25 217.85,149.74 ; 233.28,149.69 233.77,150.18 ; 159.47,206.28 v1(160.05,205.7) ; 235.52,130.28 v1(236.1,129.7) ; 142.8,149.74 142.36,150.18 ; 161.38,228.95 160.77,228.33 160.33,228.77 ; ADTR1107_3.3 141.8,225.74 v3(141.8,226.15) 142.31,226.15 ADTR1107_3.4 ; ADTR1107_9.1 219.45,133.15 218.75,133.15 v3(218.55,132.95) ; 217.9,134.23 218.34,134.67 ; 213.75,207.98 214.33,208.56 ; v3(56.95,147.68) 57.85,147.13 57.85,146.87 ; 157.28,149.71 157.77,150.2 ; 161.72,208.58 v1(162.3,208) ; 143.79,150.73 v1(145.16,150.73) ; v1(214.7,211.38) 215.3,210.77 215.71,210.77 214.79,209.85 214.28,210.37 v1(214.28,210.88) ; 217.29,211.77 v1(217.29,213.13) ; 161.77,132.61 v1(162.35,132.03) ; v3(158.97,133.07) 158.97,133.03 ADTR1107_14.25 ; v5(27.2,154.85) 27.15,154.9 C314.2 ; 236.72,207.67 236.28,207.23 236.9,206.62 ; v1(156.7,130.68) 157.3,131.28 157.3,131.69 158.22,130.77 157.7,130.25 v1(157.2,130.25) ; v1(237.75,149.12) 237.75,149.63 237.23,150.15 236.31,149.23 236.72,149.23 v1(237.32,148.62) ; 160.35,152.75 160.79,152.31 161.41,152.93 ; 159.52,130.31 v1(160.1,129.73) ; v1(162.25,228.08) 161.67,227.49 ; 59.35,146.87 59.35,147.09 v3(59.93,147.68) ; 156.33,226.66 156.55,226.88 157.38,226.88 ; 233.67,209.85 233.23,210.29 ; ADTR1107_7.25 v3(217.05,226.95) ; 160.75,207.62 160.31,207.18 160.92,206.57 ; 158.17,149.69 157.74,149.25 ; 218.29,210.77 217.85,210.33 ; 216.63,206.31 v1(216.05,205.73) ; 233.3,134.24 233.74,133.8 ; 237.69,208.63 v1(238.27,208.05) ; 141.88,210.28 142.31,210.72 ; 138.67,131.03 139.28,131.64 139.72,131.2 ; 157.76,134.72 158.25,134.23 ; v1(80.15,92.9) 80.16,92.89 U2.138 ; 156.26,209.24 v1(154.89,209.24) ; 142.34,149.28 141.85,149.77 ; v1(238.27,152.03) 237.69,151.44 ; v1(142.9,153.75) 142.4,153.75 141.88,153.23 142.8,152.31 142.8,152.72 v1(143.4,153.32) ; ADTR1107_16.25 v3(158.92,150.93) ; U8.12 57.97,138.13 v3(57.45,138.65) ; 141.2,149.4 141.2,148.58 141.42,148.36 ; 159.37,229.74 v1(159.95,230.33) ; 158.63,211.62 158.85,211.4 158.85,210.57 ; 214.33,208.66 214.79,208.2 ; 216.58,153.67 v1(216,154.25) ; v1(156.65,206.65) 157.25,207.25 157.25,207.66 158.17,206.74 157.65,206.23 v1(157.15,206.23) ; 214.62,207.1 215.23,207.72 215.67,207.28 ; ADTR1107_3.18 138.28,227.37 v1(137.7,227.95) ; C313.2 25.44,154.86 v5(25.45,154.85) ; C311.2 11.73,154.08 11.65,154 11.65,153.05 v5(11.75,152.95) ; 232.23,209.29 v1(230.87,209.29) ; 158.71,224.28 v1(158.71,222.92) ; 214.67,131 215.28,131.62 215.72,131.18 ; ADTR1107_3.14 ADTR1107_3.13 140.53,229.67 v1(139.95,230.25) ; 235.88,130.74 235.42,130.28 ; 158.9,134.6 158.9,135.42 158.68,135.64 ; 233.69,225.33 234.12,225.77 ; 219.72,226.76 v1(221.08,226.76) ; 233.76,134.7 234.25,134.21 ; ADTR1107_3.1 141.15,224.55 141.15,225.38 v3(141.03,225.5) ; 140.58,153.69 v1(140,154.28) ; 139.7,207.23 139.26,207.67 138.64,207.05 ; 237.18,227.9 237.64,227.44 ; 235.44,206.33 v1(236.03,205.75) ; 235.39,153.69 v1(235.97,154.28) ; 216.51,229.72 v1(215.92,230.3) ; 140.66,206.26 v1(140.07,205.68) ; 216.68,130.21 v1(216.1,129.62) ; 140.68,130.23 v1(140.1,129.65) ; 234.68,224.33 v1(234.68,222.97) ; 159.39,153.72 v1(159.97,154.3) ; 141.34,135.69 v1(141.34,137.06) ; 217.34,135.67 v1(217.34,137.03) ; 218.26,225.3 217.78,225.79 ; 235.34,229.79 v1(235.92,230.38)